# Allegro board HB1A-AAFM.brd (continued)
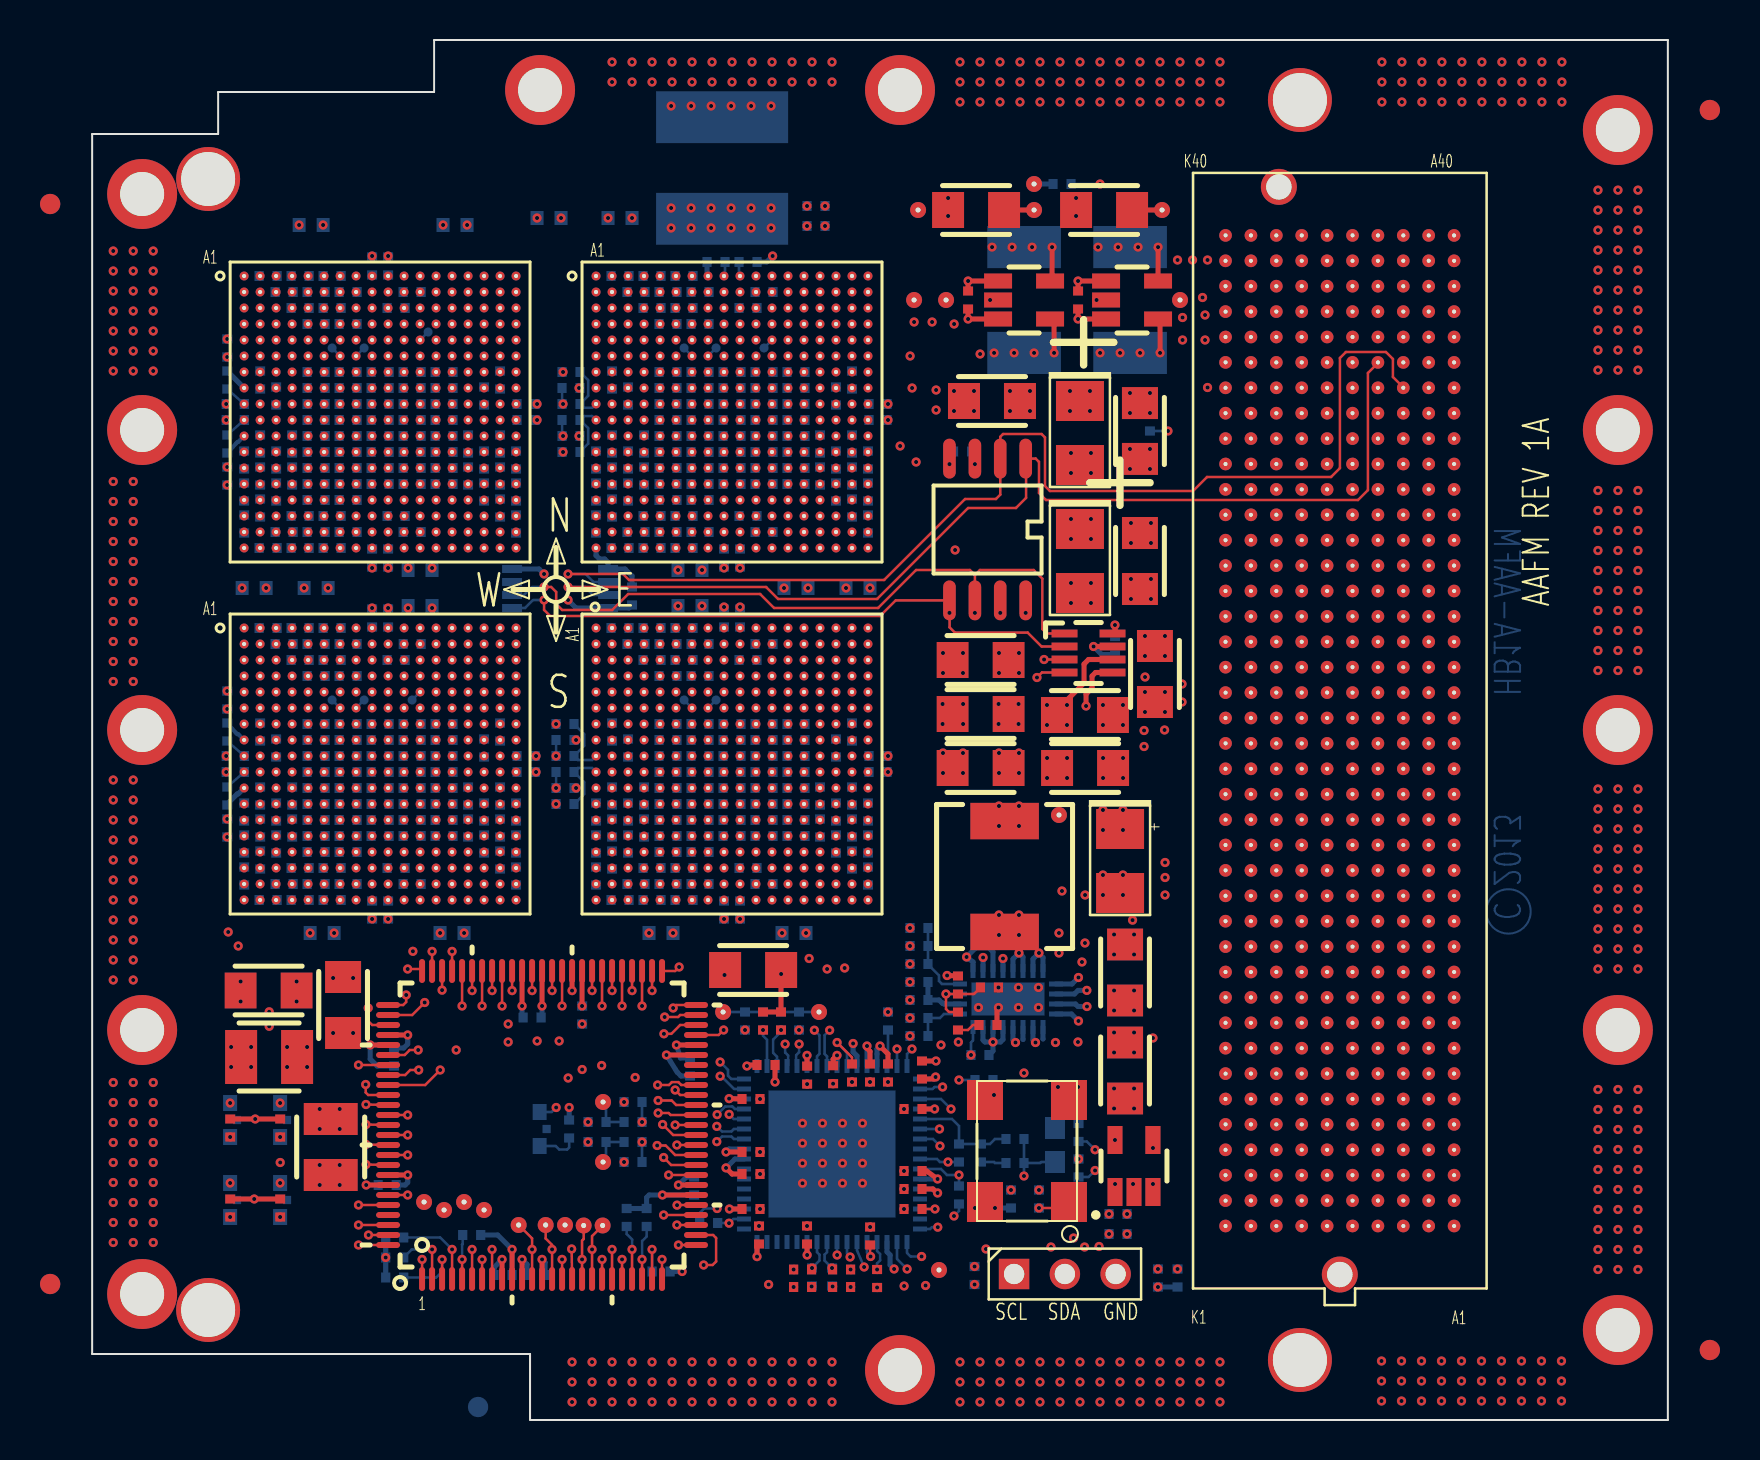
[diagram p0: board, top side]
## Routing (per net, layer and track width the routed paths; a pad name or vN(x,y) marks a point on that pad's centre or on a via; arc(x,y) is an arc through that point) (continued)
LL_UL_SN_DATA_N_4: length 55
  SIGNAL_L4-Y w0.114: U3.A4 10.3,57.5 10.3,57.75 10.5,57.95 10.75,57.95 10.84,58.04 10.84,58.21 10.69,58.37 10.69,58.54 10.86,58.71 11.03,58.71 11.18,58.55 11.35,58.55 11.6,58.8 16.95,58.8 17.35,58.4 17.57,58.4 17.69,58.52 17.69,58.68 17.81,58.8 18.05,58.8 18.17,58.68 18.17,58.52 18.29,58.4 18.53,58.4 18.65,58.52 18.65,58.68 18.77,58.8 19.01,58.8 19.13,58.68 19.13,58.52 19.25,58.4 19.49,58.4 19.61,58.52 19.61,58.68 19.73,58.8 19.97,58.8 20.09,58.68 20.09,58.52 20.21,58.4 20.43,58.4 20.55,58.52 20.55,58.68 20.67,58.8 20.91,58.8 21.03,58.68 21.03,58.38 21.19,58.22 21.36,58.22 21.56,58.42 21.73,58.42 21.9,58.25 21.9,58.08 21.7,57.88 21.7,57.71 22.01,57.4 22.31,57.4 22.43,57.28 22.43,57.04 22.31,56.92 21.92,56.92 21.8,56.8 21.8,56.56 21.92,56.44 22.31,56.44 22.43,56.32 22.43,56.08 22.31,55.96 21.92,55.96 21.8,55.84 21.8,55.6 21.92,55.48 22.31,55.48 22.43,55.36 22.43,55.12 22.31,55 21.92,55 21.8,54.88 21.8,54.64 21.92,54.52 22.31,54.52 22.43,54.4 22.43,54.16 22.31,54.04 21.92,54.04 21.8,53.92 21.8,53.68 21.92,53.56 22.31,53.56 22.43,53.44 22.43,53.2 22.31,53.08 21.92,53.08 21.8,52.96 21.8,52.72 21.92,52.6 22.31,52.6 22.43,52.48 22.43,52.24 22.31,52.12 21.92,52.12 21.8,52 21.8,29.16 21.45,28.8 18.4,28.8 U7.R14
LL_UL_SN_DATA_N_5: length 55.4
  SIGNAL_L11-Y w0.089: U3.B5 10.4,56 9.04,56 8.8,56.24 8.8,57.6 9.79,58.59 12.15,58.59 12.27,58.47 12.27,58.32 12.39,58.2 12.63,58.2 12.75,58.32 12.75,58.47 12.87,58.59 20.46,58.59 21.6,57.45 21.6,43.3 21.4,43.1 21.4,42.52 21.6,42.32 21.6,42.1 21.4,41.9 21.4,41.62 21.6,41.42 21.6,40.75 20.8,39.95 20.8,31.4 20.59,31.18 19.4,31.18 19.2,30.98 19.2,30.6 19.4,30.4 20.65,30.4 20.8,30.25 20.8,29.8 20.6,29.6 19.4,29.6 19.2,29.4 19.2,29 19.4,28.8 20.6,28.8 20.8,28.6 20.8,28.2 20.6,28 19.2,28 U7.T15
LL_UL_SN_DATA_N_6: length 54.9
  SIGNAL_L7-Y w0.089: U3.C6 11.2,56 11.2,57.4 11.5,57.7 18.1,57.7 18.4,57.4 18.4,55.4 18.6,55.2 19.8,55.2 20,55.4 20,56.6 20.2,56.8 20.6,56.8 20.8,56.6 20.8,55.4 21,55.2 21.4,55.2 21.6,55 21.6,54.6 21.4,54.4 20.2,54.4 20,54.2 20,53.8 20.2,53.6 21.4,53.6 21.6,53.4 21.6,53 21.4,52.8 20.2,52.8 20,52.6 20,52.2 20.2,52 21.4,52 21.6,51.8 21.6,51.4 21.4,51.2 20.2,51.2 20,51 20,43.08 19.88,42.96 19.62,42.96 19.5,42.84 19.5,42.6 19.62,42.48 19.88,42.48 20,42.36 20,42.13 19.8,41.93 19.8,41.65 20,41.45 20,41.22 19.8,41.03 19.8,40.74 20,40.55 20,31.39 19.8,31.2 19.41,31.2 19.2,31 19.2,30.6 19.41,30.4 19.8,30.4 20,30.2 20,27.2 U7.U16
LL_UL_SN_DATA_N_7: length 55
  SIGNAL_L4-Y w0.114: U3.D7 12.8,55.2 13.4,55.2 13.6,55 13.6,53.8 13.8,53.6 15,53.6 15.2,53.4 15.2,53 15,52.8 13.8,52.8 13.6,52.6 13.6,52.2 13.8,52 15,52 15.2,51.8 15.2,44.2 15,44 13.8,44 13.6,43.8 13.6,43.4 13.3,43.1 9.6,43.1 9.3,42.8 9.3,41.55 8.9,41.15 8.9,40.89 9.3,40.49 9.3,40.2 9.15,40.05 9,40.05 8.8,39.85 8.8,25.8 9.4,25.2 12.4,25.2 12.8,25.6 12.8,27 13,27.2 19.8,27.2 20,27 20,26.4 U7.V17
LL_UL_SN_DATA_P_0: length 55
  SIGNAL_L4-Y w0.114: U7.R11 16,28.8 16,30.2 16.2,30.4 20.6,30.4 20.8,30.6 20.8,41.6 20.6,41.8 20.6,42.09 20.8,42.28 20.8,42.56 20.6,42.77 20.6,43.05 20.8,43.24 20.8,57.6 20.5,57.9 17.6,57.9 17.28,57.59 12.18,57.59 12,57.4 12,55.4 11.8,55.2 7.4,55.2 7.2,55.4 7.2,57.5 7.7,58 8.4,58 U3.A3
LL_UL_SN_DATA_P_1: length 55.2
  SIGNAL_L11-Y w0.089: U3.B4 10.38,56.78 10.38,57.4 10.57,57.59 19.81,57.59 20,57.4 20,45.8 19.8,45.6 17.8,45.6 17.6,45.4 17.6,45 17.8,44.8 19.8,44.8 20,44.6 20,43.14 19.8,42.94 19.8,42.66 20,42.46 20,40.75 19.2,39.95 19.2,37.8 19,37.6 17.8,37.6 17.6,37.8 17.6,39.05 17.45,39.2 16.95,39.2 16.8,39.05 16.8,37 17,36.8 19,36.8 19.2,36.6 19.2,36.2 19,36 17,36 16.8,35.8 16.8,28 U7.T12
LL_UL_SN_DATA_P_2: length 55
  SIGNAL_L14-Y w0.114: U3.C5 10.4,55.2 10.4,52.2 10.6,52 11,52 11.2,51.8 11.2,51.4 11,51.2 10.6,51.2 10.4,51 10.4,50.6 10.6,50.4 11,50.4 11.2,50.2 11.2,49.8 11,49.6 10.6,49.6 10.4,49.4 10.4,49 10.6,48.8 11,48.8 11.2,48.6 11.2,48.2 11,48 10.6,48 10.4,47.8 10.4,47.4 10.6,47.2 11,47.2 11.2,47 11.2,46.6 11,46.4 8.2,46.4 8,46.2 8,45.8 8.2,45.6 11,45.6 11.2,45.4 11.2,45 11,44.8 8.2,44.8 8,44.6 8,44.2 8.2,44 11,44 11.2,43.8 11.2,43.4 11,43.2 8.95,43.2 8.8,43.05 8.8,42.55 8.95,42.4 9.8,42.4 10.2,42 10.2,41.45 10.4,41.25 10.4,28.2 10.6,28 11.9,28 12,27.9 12,27.4 12.2,27.2 12.6,27.2 12.8,27 12.8,26.6 13,26.4 16.8,26.4 U7.U13
LL_UL_SN_DATA_P_3: length 54.9
  SIGNAL_L4-Y w0.114: U3.D6 12,54.4 12,49 12.2,48.8 13.4,48.8 13.6,48.6 13.6,48.2 13.4,48 12.2,48 12,47.8 12,47.4 12.2,47.2 13.4,47.2 13.6,47 13.6,46.6 13.4,46.4 12.2,46.4 12,46.2 12,44.97 11.83,44.8 6.41,44.8 6.13,44.52 6.13,43.15 6.25,43.03 6.66,43.03 6.78,42.91 6.78,42.67 6.66,42.55 6.25,42.55 6.13,42.43 6.13,41.4 5.55,40.83 5.55,26.98 8.57,23.96 14.36,23.96 15.9,25.5 17.5,25.5 U7.V14
LL_UL_SN_DATA_P_4: length 55
  SIGNAL_L4-Y w0.114: U3.A5 10.4,56.8 9.8,56.8 9.6,57 9.6,58.15 9.75,58.3 10.1,58.3 10.25,58.45 10.25,58.75 10.44,58.94 10.74,58.94 10.9,59.1 21.6,59.1 22.65,58.05 22.65,49.7 22.02,49.08 22.02,34.08 22.6,33.5 22.6,32.15 22.02,31.57 22.02,28.62 21.6,28.2 21.6,26.6 21.4,26.4 21,26.4 20.8,26.6 20.8,27.8 20.6,28 17.6,28 U7.R13
LL_UL_SN_DATA_P_5: length 55.3
  SIGNAL_L14-Y w0.114: U3.B6 11.2,56 7.3,56 6.2,54.9 6.2,43.07 6.32,42.95 6.48,42.95 6.6,42.83 6.6,42.59 6.48,42.47 6.32,42.47 6.2,42.35 6.2,40.55 7.2,39.55 7.2,37 7.4,36.8 7.8,36.8 8,37 8,40.49 8.16,40.65 8.6,40.65 8.8,40.45 8.8,39.4 9,39.2 9.41,39.2 9.6,39.01 9.6,27.4 9.8,27.2 11.8,27.2 12,27 12,25.8 12.2,25.6 17.38,25.6 17.6,25.82 17.6,27 17.8,27.2 U7.T14
LL_UL_SN_DATA_P_6: length 55
  SIGNAL_L11-Y w0.089: U7.U15 19.2,27.2 21.4,27.2 21.6,27.4 21.6,40.2 21.82,40.42 21.82,57.6 20.61,58.81 9.26,58.81 8,57.55 8,55.4 8.2,55.2 12,55.2 U3.C7
LL_UL_SN_DATA_P_7: length 55.1
  SIGNAL_L4-Y w0.114: U3.D8 12.8,54.4 12.8,51.4 13,51.2 14.2,51.2 14.4,51 14.4,45 14.2,44.8 13.8,44.8 13.6,44.6 13.6,44.2 13.4,44 9,44 8.8,43.8 8.8,43.17 8.28,42.65 7.38,42.65 6.48,41.75 6.48,41.08 5.93,40.52 5.93,40.07 6.05,39.95 6.46,39.95 6.58,39.83 6.58,39.59 6.46,39.47 6.05,39.47 5.93,39.35 5.93,39.11 6.05,38.99 6.46,38.99 6.58,38.87 6.58,38.63 6.46,38.51 6.05,38.51 5.93,38.39 5.93,27.8 7.34,26.39 7.8,26.39 8,26.18 8,25.7 8.8,24.9 12.85,24.9 13,24.75 13,24.45 13.2,24.25 13.4,24.25 13.6,24.45 13.6,26.2 13.8,26.4 19.2,26.4 U7.V16
LL_UL_SN_FRAME_N: length 54.9
  SIGNAL_L11-Y w0.089: U3.B7 12.8,56 12.8,54.6 12.6,54.4 7.43,54.4 7.33,54.5 6.05,54.5 5.41,53.85 5.41,26.79 7.6,24.6 8.24,24.6 8.36,24.48 8.36,24.39 8.48,24.27 8.72,24.27 8.84,24.39 8.84,24.48 8.96,24.6 9.86,24.6 10.5,23.96 15.34,23.96 16.8,25.41 16.8,27.1 16.7,27.2 15.4,27.2 15.2,27.4 15.2,28 U7.R10
LL_UL_SN_FRAME_P: length 55.1
  SIGNAL_L14-Y w0.114: U3.B8 12.8,56 12.8,54.6 13,54.4 13.4,54.4 13.6,54.2 13.6,53.8 13.4,53.6 13,53.6 12.8,53.4 12.8,53 13,52.8 13.4,52.8 13.6,52.6 13.6,52.2 13.4,52 13,52 12.8,51.8 12.8,51.4 13,51.2 13.4,51.2 13.6,51 13.6,50.6 13.4,50.4 13,50.4 12.8,50.2 12.8,49.8 13,49.6 13.4,49.6 13.6,49.4 13.6,49 13.41,48.81 13.02,48.81 12.8,48.6 12.8,48.2 13,48 13.4,48 13.6,47.8 13.6,47.4 13.4,47.2 13,47.2 12.8,47 12.8,46.6 13,46.4 13.4,46.4 13.6,46.2 13.6,45.8 13.4,45.6 13,45.6 12.8,45.4 12.8,45 13,44.8 13.4,44.8 13.6,44.6 13.6,44.2 13.4,44 13,44 12.8,43.8 12.8,43.1 12.9,43 13.35,43 13.5,42.85 13.5,42.65 13.35,42.5 11.7,42.5 11.55,42.35 11.55,42.15 11.7,42 12.15,42 12.45,41.7 14.95,41.7 15.1,41.55 15.1,41.35 14.95,41.2 11.7,41.2 11.56,41.06 11.56,40.89 11.7,40.75 13.45,40.75 13.59,40.61 13.59,40.44 13.45,40.3 12.3,40.3 12,40 12,39.4 12.2,39.2 12.6,39.2 12.8,39 12.8,38.6 12.6,38.4 12.2,38.4 12,38.2 12,37.8 12.2,37.6 12.6,37.6 12.8,37.4 12.8,37 12.6,36.8 12.2,36.8 12,36.6 12,36.2 12.2,36 12.6,36 12.8,35.8 12.8,35.4 12.6,35.2 12.2,35.2 12,35 12,34.6 12.2,34.4 12.6,34.4 12.8,34.2 12.8,33.8 12.6,33.6 12.2,33.6 12,33.4 12,33 12.2,32.8 12.6,32.8 12.8,32.6 12.8,32.2 12.6,32 12.2,32 12,31.8 12,31.4 12.2,31.2 12.6,31.2 12.8,31 12.8,30.6 13,30.4 13.4,30.4 13.6,30.2 13.6,28.8 U7.R9
LL_UL_SN_LCLK_N: length 55.2
  SIGNAL_L7-Y w0.089: U3.A6 12,56.8 12,56.2 12.2,56 15,56 15.2,55.8 15.2,49 15,48.8 14.6,48.8 14.4,48.6 14.4,48.2 14.6,48 15,48 15.2,47.8 15.2,41.9 14.95,41.65 12.95,41.65 12.8,41.5 12.8,38.6 13,38.4 15,38.4 15.2,38.2 15.2,37.8 15,37.6 13,37.6 12.8,37.4 12.8,37 13,36.8 15,36.8 15.2,36.6 15.2,36.2 15,36 13,36 12.8,35.8 12.8,35.4 13,35.2 15,35.2 15.2,35 15.2,34.6 15,34.4 13,34.4 12.8,34.2 12.8,33.8 13,33.6 15,33.6 15.2,33.4 15.2,25.8 15.4,25.6 16.8,25.6 U7.V13
LL_UL_SN_LCLK_P: length 55.3
  SIGNAL_L7-Y w0.089: U7.V12 16.02,26.39 16.02,28.61 16.2,28.8 17.41,28.8 17.6,29 17.6,29.4 17.41,29.6 16.21,29.6 16.02,29.8 16.02,30.21 16.2,30.4 16.6,30.4 16.8,30.6 16.8,31 16.6,31.2 16.21,31.2 16.02,31.4 16.02,31.82 16.2,32 17.4,32 17.6,32.2 17.6,32.6 17.4,32.8 16.21,32.8 16.02,33 16.02,33.41 16.2,33.6 17.4,33.6 17.6,33.8 17.6,34.2 17.4,34.4 16.21,34.4 16.02,34.6 16.02,35.02 16.2,35.2 17.4,35.2 17.6,35.4 17.6,35.8 17.4,36 16.21,36 16.02,36.2 16.02,36.62 16.2,36.8 17.4,36.8 17.6,37 17.6,37.4 17.4,37.6 16.21,37.6 16.02,37.8 16.02,38.22 16.2,38.4 17.4,38.4 17.6,38.6 17.6,39 17.4,39.2 17,39.2 16.8,39.4 16.8,39.8 16.6,40 16.2,40 16,39.8 16,39.4 15.8,39.2 15.4,39.2 15.2,39.4 15.2,40.8 15.4,41 16,41 16.25,41.24 16.25,41.34 16.37,41.47 16.48,41.47 16.6,41.59 16.6,41.83 16.48,41.95 16.37,41.95 16.25,42.06 16.25,42.87 16.02,43.1 16.02,56.58 15.8,56.8 12.8,56.8 U3.A7
LL_UL_SN_RD_WAIT_N: length 52.8
  SIGNAL_L11-Y w0.089: U3.B9 13.6,56 13.6,53.8 13.4,53.6 5.98,53.6 5.68,53.3 5.68,31.3 5.8,31.18 6.61,31.18 6.73,31.06 6.73,30.82 6.61,30.7 5.8,30.7 5.68,30.58 5.68,26.92 7.7,24.9 12.7,24.9 13.4,24.2 15.2,24.2 16,25 16,26.4 U7.U12
LL_UL_SN_RD_WAIT_P: length 52.7
  SIGNAL_L11-Y w0.089: U7.U11 15.2,26.4 15.2,24.8 15,24.6 13.5,24.6 12.9,25.2 7.8,25.2 7.2,25.8 7.2,37.21 7.08,37.33 6.77,37.33 6.65,37.45 6.65,37.69 6.77,37.81 7.08,37.81 7.2,37.93 7.2,38.17 7.08,38.29 6.77,38.29 6.65,38.41 6.65,38.65 6.77,38.77 7.08,38.77 7.2,38.89 7.2,39.13 7.08,39.25 6.77,39.25 6.65,39.37 6.65,39.61 6.77,39.73 7.08,39.73 7.2,39.85 7.2,40.15 7.05,40.3 6.85,40.3 5.98,41.17 5.98,41.88 7.2,43.09 7.2,48.62 7.08,48.74 6.85,48.74 6.73,48.86 6.73,49.1 6.85,49.22 7.08,49.22 7.2,49.34 7.2,52.6 7.4,52.8 14.2,52.8 14.4,53 14.4,56 U3.B10
LL_UL_SN_WR_WAIT_N: length 55
  SIGNAL_L14-Y w0.114: U7.T11 15.2,28 15.2,30.2 15.4,30.4 15.8,30.4 16,30.6 16,31 15.8,31.2 14.6,31.2 14.4,31.4 14.4,31.8 14.6,32 15.8,32 16,32.2 16,32.6 15.8,32.8 14.6,32.8 14.4,33 14.4,33.4 14.6,33.6 16.6,33.6 16.8,33.8 16.8,34.2 16.6,34.4 14.6,34.4 14.4,34.6 14.4,35 14.6,35.2 16.6,35.2 16.8,35.4 16.8,35.8 16.6,36 14.6,36 14.4,36.2 14.4,36.6 14.6,36.8 16.6,36.8 16.8,37 16.8,37.4 16.6,37.6 14.6,37.6 14.4,37.8 14.4,38.2 14.6,38.4 16.6,38.4 16.8,38.6 16.8,39 16.6,39.2 15.4,39.2 15.2,39.4 15.2,39.8 15.4,40 16.35,40 16.55,40.2 16.55,40.99 16.67,41.11 17.31,41.11 17.45,41.25 17.45,41.45 17.3,41.6 16.66,41.6 16.55,41.71 16.55,42.5 16,43.05 15.5,43.05 15.2,43.35 15.2,54.2 15,54.4 14.6,54.4 14.4,54.6 14.4,55.8 14.2,56 13.6,56 U3.C8
LL_UL_SN_WR_WAIT_P: length 55
  SIGNAL_L14-Y w0.114: U7.T10 14.4,28 14.4,31 14.2,31.2 13,31.2 12.8,31.4 12.8,31.8 13,32 14.2,32 14.4,32.2 14.4,32.6 14.2,32.8 13,32.8 12.8,33 12.8,33.4 13,33.6 14.2,33.6 14.4,33.8 14.4,34.2 14.2,34.4 13,34.4 12.8,34.6 12.8,35 13,35.2 14.2,35.2 14.4,35.4 14.4,35.8 14.2,36 13,36 12.8,36.2 12.8,36.6 13,36.8 14.2,36.8 14.4,37 14.4,37.4 14.2,37.6 13,37.6 12.8,37.8 12.8,38.2 13,38.4 14.2,38.4 14.4,38.6 14.4,39 14.2,39.2 13,39.2 12.8,39.4 12.8,39.8 13,40 15,40 15.4,40.4 15.4,42.8 15,43.2 13.8,43.2 13.6,43.4 13.6,43.8 13.8,44 14.2,44 14.38,44.19 14.38,44.65 14.23,44.8 13.8,44.8 13.6,45 13.6,45.4 13.8,45.6 14.2,45.6 14.4,45.8 14.4,46.2 14.2,46.4 13.8,46.4 13.6,46.6 13.6,47 13.8,47.2 14.2,47.2 14.4,47.4 14.4,47.8 14.2,48 13.8,48 13.6,48.2 13.6,48.6 13.8,48.8 14.2,48.8 14.4,49 14.4,49.4 14.2,49.6 13.8,49.6 13.6,49.8 13.6,50.2 13.8,50.4 14.2,50.4 14.4,50.6 14.4,51 14.2,51.2 13.8,51.2 13.6,51.4 13.6,51.8 13.8,52 14.2,52 14.4,52.2 14.4,52.6 14.2,52.8 13.8,52.8 13.6,53 13.6,53.4 13.8,53.6 14.2,53.6 14.4,53.8 14.4,54.2 14.2,54.4 13.8,54.4 13.6,54.6 13.6,55.2 U3.C9
LL_XID3: length 20.8
  TOP w0.127: U9.82 v1(13.32,17.75)
  SIGNAL_L12-X w0.089: v1(13.32,17.75) 12.5,18.56 12.5,24.8 12,25.3 12,36 12.4,36.4 U7.E7
LL_YID3: length 21.6
  TOP w0.127: U9.86 v1(13.7,15.78)
  SIGNAL_L12-X w0.089: U7.F9 14.2,35.2 14.41,35 14.41,23.4 14.8,23 14.8,17.23 v1(13.7,15.78)
LR_CCLK_N: length 3.3
  BOTTOM w0.127: R170.1 24.11,30.8 24.6,31.3 24.6,31.89 R168.2 24.3,32.6 25,32.6 U8.K1
LR_CCLK_P: length 3.3
  BOTTOM w0.127: U8.J1 25,33 24.3,33 R167.2 24.6,33.7 24.6,34.3 R165.1
LR_CSBI_XID0: length 38.4
  TOP w0.127: U9.87 v1(15.78,15.25)
  SIGNAL_L5-X w0.114: v1(15.78,15.25) 15.3,15.72 15.3,19.52 15.58,19.8 19.7,19.8 20.16,20.25 27.93,20.25 28.65,20.98 28.65,22.65 29.2,23.2 32.8,23.2 33.6,24 33.6,35.2 34,35.59 U8.F12
LR_CSBO_YID0: length 37.4
  TOP w0.127: U9.91 v1(15.78,13.25)
  SIGNAL_L5-X w0.114: v1(15.78,13.25) 17.05,13.25 22.25,18.45 v1(22.25,18.95)
  SIGNAL_L8-X w0.089: U8.E10 32.41,36.4 32.8,36 32.8,24.4 31.58,23.18 22.93,23.18 22.5,22.75 22.5,21.4 22,20.9 22,19.73 22.25,19.48 v1(22.25,18.95)
LR_FLAG_DSP: length 43
  TOP w0.127: U9.15 v1(23.5,8.03)
  SIGNAL_L4-Y w0.114: v1(23.5,8.03) 23.5,8.97 23.65,9.12 TP21.1
  SIGNAL_L8-X w0.089: U8.E12 34,36.4 34.41,36 34.41,25.5 35.2,24.7 35.2,23.1 37.66,20.65 37.66,17.55 37.5,17.4 37.5,16.1 37,15.6 37,12.6 36.7,12.3 34.2,12.3 33.7,11.8 30.9,11.8 30.33,11.22 29.13,11.22 28.65,10.75 27.55,10.75 27.41,10.9 24.8,10.9 TP21.1
LR_LL_WE_DATA_N_0: length 29.1
  SIGNAL_L15-X w0.114: U7.T18 21.6,27.2 21.6,25.75 21.45,25.6 21.2,25.6 21.05,25.45 21.05,25.25 21.5,24.8 21.5,24.5 21.8,24.2 26.05,24.2 26.19,24.34 26.19,24.51 26.05,24.65 24.25,24.65 24.15,24.75 24.15,24.95 24.25,25.05 26.05,25.05 26.2,25.2 26.2,25.45 26.03,25.61 25,25.61 24.81,25.8 24.81,26.2 25.02,26.4 25.4,26.4 25.6,26.6 25.6,27 25.4,27.2 25,27.2 24.81,27.39 24.81,27.8 25.02,28 25.4,28 25.6,28.2 25.6,28.6 25.4,28.8 25,28.8 24.81,28.98 24.81,29.4 25.02,29.6 25.4,29.6 25.6,29.8 25.6,30.19 25.39,30.4 25,30.4 24.81,30.59 24.81,33.41 25,33.6 27.2,33.6 U8.H4
LR_LL_WE_DATA_N_1: length 29.1
  SIGNAL_L15-X w0.114: U8.G3 27.2,35.2 28.6,35.2 28.8,35 28.8,32.2 28.6,32 26.6,32 26.4,31.8 26.4,31.4 26.6,31.2 27,31.2 27.2,31 27.2,30.6 27.4,30.4 27.8,30.4 28,30.2 28,25.6 26.87,24.47 26.87,24.18 26.45,23.76 21.44,23.76 21.19,24.01 20.39,24.01 20,24.4 20,25 19.9,25.1 19.55,25.1 19.45,25.2 19.45,25.45 19.55,25.55 19.85,25.55 20,25.7 20,28 U7.R17
LR_LL_WE_DATA_N_2: length 29.1
  SIGNAL_L12-X w0.089: U8.F2 25.6,35.4 25.4,35.2 24.7,35.2 24.41,35.5 24.41,35.8 23.66,36.54 23.66,38.66 23.4,38.92 23.18,38.92 22.7,38.44 22.7,36.2 22.7,36.2 22.7,34.4 23.59,33.52 23.59,31.33 24.36,30.56 24.36,25.6 24.05,25.29 21.98,25.29 21.59,25.68 21.59,29.41 21.4,29.6 20.2,29.6 20,29.4 U7.P16
LR_LL_WE_DATA_N_3: length 29.2
  SIGNAL_L12-X w0.089: U7.N15 19.2,30.4 20.6,30.4 20.8,30.6 20.8,31 21,31.2 21.45,31.2 22.81,29.84 22.81,26.79 23,26.6 23.5,26.6 23.7,26.8 23.7,27.59 23.58,27.71 23.32,27.71 23.2,27.83 23.2,28.07 23.32,28.19 23.58,28.19 23.7,28.31 23.7,29.7 23.21,30.19 22.95,30.19 22.59,30.55 22.59,30.81 21.81,31.59 21.81,33.7 22.04,33.94 22.04,38.74 23.03,39.73 23.53,39.73 24.32,38.94 24.32,36.97 24.89,36.4 U8.E1
LR_LL_WE_DATA_N_4: length 29
  SIGNAL_L12-X w0.089: U7.P18 20.8,28.8 20.8,25.73 20.98,25.55 21.41,25.55 21.89,25.07 24.14,25.07 24.58,25.51 24.58,30.65 23.81,31.42 23.81,34.14 23.59,34.36 23.59,35.41 22.92,36.08 22.92,36.29 22.92,36.29 22.92,37.77 23.05,37.9 23.3,37.9 23.44,37.76 23.44,36.4 24,35.84 24,35.05 24.3,34.75 24.6,34.75 24.95,34.4 25.4,34.4 25.6,34.6 25.6,35 25.8,35.2 27.2,35.2 U8.F4
LR_LL_WE_DATA_N_5: length 29.2
  SIGNAL_L12-X w0.089: U8.E3 26.4,36 24.9,36 24.1,36.8 24.1,38.85 23.73,39.22 23.73,39.22 23.5,39.45 23.09,39.45 22.26,38.62 22.26,34.05 22.59,33.72 22.59,31.22 22.81,31 22.81,30.64 23.04,30.41 23.36,30.41 23.92,29.85 23.92,26.45 23.77,26.3 22.75,26.3 22.59,26.46 22.59,27.26 22.47,27.38 22.17,27.38 22.05,27.5 22.05,27.74 22.17,27.86 22.47,27.86 22.59,27.98 22.59,28.22 22.47,28.34 22.37,28.34 22.2,28.5 22.2,28.62 22.41,28.82 22.47,28.82 22.59,28.94 22.59,29.66 21.85,30.4 21,30.4 20.8,30.2 U7.N17
LR_LL_WE_DATA_N_6: length 29.1
  SIGNAL_L7-Y w0.089: U7.M16 20,31 20.2,31.2 22.6,31.2 22.8,31.4 22.8,34.02 22.5,34.33 22.5,37.55 22.8,37.85 22.8,39.14 22.7,39.24 22.66,39.24 22.55,39.35 22.55,39.5 22.66,39.6 22.7,39.6 22.8,39.71 22.8,40.15 22.95,40.3 23.25,40.3 23.41,40.15 23.41,35.4 23.6,35.2 23.8,35.2 24,35.4 24,40.1 24.2,40.3 24.41,40.3 24.6,40.1 24.6,37 24.8,36.8 25.6,36.8 U8.D2
LR_LL_WE_DATA_N_7: length 29.1
  SIGNAL_L15-X w0.114: U8.C1 24.68,38.52 24.68,39.21 23.77,40.12 22.64,40.12 21.78,39.26 21.78,38.68 21.5,38.4 21,38.4 20.8,38.2 20.8,37.8 20.6,37.6 20.2,37.6 20,37.4 20,37 19.8,36.8 19.4,36.8 19.2,36.6 19.2,36.2 19,36 18.6,36 18.4,35.8 18.4,35.4 18.2,35.2 17.8,35.2 17.6,35 17.6,34.6 17.4,34.4 17,34.4 16.8,34.2 16.8,33.8 16.6,33.6 16.2,33.6 16,33.4 16,33 15.8,32.8 15.4,32.8 15.2,32.6 15.2,32.2 15,32 14.6,32 14.4,31.8 14.4,29.8 14.6,29.6 15,29.6 15.2,29.8 15.2,31.8 15.4,32 15.8,32 16,31.8 16,30.6 16.2,30.4 16.6,30.4 16.8,30.6 16.8,31.1 16.9,31.2 17.4,31.2 17.6,31.4 17.6,31.8 17.8,32 18.4,32 U7.L15
LR_LL_WE_DATA_P_0: length 29.2
  SIGNAL_L15-X w0.114: U8.G4 28,34.4 28,33 27.8,32.8 25.8,32.8 25.6,32.6 25.6,30.6 25.8,30.4 26.98,30.4 27.2,30.18 27.2,29.8 27,29.6 25.8,29.6 25.6,29.4 25.6,29 25.8,28.8 27,28.8 27.2,28.6 27.2,28.2 27,28 25.8,28 25.6,27.8 25.6,27.4 25.8,27.2 27,27.2 27.2,27 27.2,25.8 26.55,25.15 26.55,24.2 26.33,23.98 21.62,23.98 21.37,24.23 20.62,24.23 20.3,24.55 20.3,24.85 20.8,25.35 20.8,26.4 U7.U18
LR_LL_WE_DATA_P_1: length 29.3
  SIGNAL_L15-X w0.114: U7.T17 20.8,28 21.5,28 21.82,27.68 21.82,24.58 21.91,24.5 22.09,24.5 22.2,24.6 22.2,25.18 22.3,25.28 22.52,25.28 22.6,25.2 22.6,24.6 22.7,24.5 22.9,24.5 23,24.6 23,25.18 23.1,25.28 23.32,25.28 23.4,25.2 23.4,24.6 23.5,24.5 23.67,24.5 23.78,24.61 23.78,25.18 24,25.4 24.45,25.4 24.59,25.55 24.59,25.7 24.35,25.95 24.35,26.15 24.59,26.39 24.59,26.54 24.35,26.79 24.35,27.02 24.59,27.27 24.59,27.48 24.35,27.73 24.35,27.96 24.59,28.21 24.59,28.44 24.35,28.68 24.35,28.93 24.59,29.17 24.59,29.4 24.35,29.64 24.35,29.89 24.59,30.13 24.59,30.35 24.48,30.47 24.47,30.47 24.35,30.59 24.35,30.83 24.47,30.95 24.48,30.95 24.59,31.07 24.59,31.91 24.41,32.1 24.01,32.1 23.81,32.3 23.81,32.5 24.01,32.7 24.41,32.7 24.59,32.89 24.59,33.36 24.36,33.59 24.06,33.59 23.81,33.84 23.81,34.16 24.1,34.46 24.1,35.6 24,35.7 24,35.9 24.11,36 24.27,36 24.59,35.68 24.59,34.65 24.84,34.4 26.2,34.4 26.4,34.6 26.4,35 26.6,35.2 U8.F3
LR_LL_WE_DATA_P_2: length 29.1
  SIGNAL_L15-X w0.114: U8.E2 25.6,36 24.9,36 23.79,37.11 23.79,38.85 23.4,39.24 23.04,39.24 22.69,38.89 22.69,36.3 23.6,35.38 23.6,34.6 23.31,34.31 23.31,33.71 23.65,33.38 23.65,32.96 23.3,32.61 23.3,32.09 23.59,31.8 23.59,31.02 23.81,30.8 23.81,26.52 23.61,26.32 22.44,26.32 22.26,26.5 22.26,30.3 22.16,30.4 21.91,30.4 21.82,30.32 21.82,29.12 21.5,28.8 20,28.8 U7.R16
LR_LL_WE_DATA_P_3: length 29.2
  SIGNAL_L15-X w0.114: U8.D1 24.6,37.2 24.23,37.57 24.23,39.03 23.59,39.68 22.82,39.68 22.25,39.1 22.25,35.98 22.59,35.63 22.59,31.34 22.45,31.2 22,31.2 21.75,31.45 21.75,34.05 21.6,34.2 21.6,36.6 21.4,36.8 21,36.8 20.8,36.6 20.8,29.8 20.6,29.6 19.2,29.6 U7.P15
LR_LL_WE_DATA_P_4: length 29
  SIGNAL_L15-X w0.114: U8.E4 27.2,36.8 26.6,36.8 26.4,36.6 26.4,35.44 26.39,35.4 26.2,35.2 25,35.2 24.81,35.38 24.81,35.77 23.57,37.02 23.57,38.53 23.41,38.7 23.11,38.7 22.91,38.5 22.91,37.83 23.15,37.59 23.15,37.35 22.91,37.11 22.91,36.43 23.88,35.45 23.88,34.55 23.59,34.25 23.59,33.75 23.9,33.43 23.9,32.9 23.59,32.59 23.59,32.12 23.81,31.9 23.81,31.22 24.03,31 24.03,26.03 23.5,25.5 22.95,25.5 22.8,25.65 22.8,25.9 22.71,25.99 22.54,25.99 22.45,25.9 22.45,25.6 22.35,25.5 22.15,25.5 22.04,25.61 22.04,28.25 21.89,28.4 U7.R18
LR_LL_WE_DATA_P_5: length 29.3
  SIGNAL_L15-X w0.114: U7.P17 20.8,29.4 21,29.6 21.44,29.6 21.6,29.76 21.6,30.75 21.75,30.9 22.25,30.9 22.48,30.67 22.48,30.3 23,29.78 23,29.65 22.59,29.24 22.59,29.04 22.88,28.75 22.88,28.6 22.48,28.2 22.48,28.04 22.6,27.92 22.83,27.92 22.95,27.8 22.95,27.56 22.83,27.44 22.6,27.44 22.48,27.32 22.48,26.8 22.68,26.6 23.45,26.6 23.59,26.74 23.59,29.82 22.81,30.59 22.81,35.8 22.47,36.14 22.47,39.01 22.91,39.46 23.49,39.46 24.01,38.94 24.01,37.29 24.5,36.8 26.2,36.8 26.4,37 U8.D3
LR_LL_WE_DATA_P_6: length 29.1
  SIGNAL_L15-X w0.114: U8.C2 25.6,37.6 25,37.6 24.46,38.14 24.46,39.12 23.68,39.9 22.73,39.9 22,39.17 22,37.8 21.8,37.6 21,37.6 20.8,37.4 20.8,37 20.6,36.8 20.2,36.8 20,36.6 20,36.2 19.8,36 19.4,36 19.2,35.8 19.2,35.4 19,35.2 18.6,35.2 18.38,34.98 18.38,34.59 18.2,34.4 17.8,34.4 17.6,34.2 17.6,33.8 17.4,33.6 17,33.6 16.8,33.4 16.8,33 16.6,32.8 16.2,32.8 16,32.6 16,32.2 16.2,32 17.4,32 17.6,32.2 17.6,33.4 17.8,33.6 18.2,33.6 18.4,33.8 18.4,34.2 18.6,34.4 19,34.4 19.2,34.6 19.2,35 19.4,35.2 19.8,35.2 20,35 20,30.4 U7.N16
LR_LL_WE_DATA_P_7: length 29.2
  SIGNAL_L15-X w0.114: U8.B1 24.9,39.1 24.9,39.3 24.7,39.5 24.7,39.8 24,40.5 22.4,40.5 21.9,40 21.9,39.7 21.4,39.2 21,39.2 20.8,39 20.8,38.6 20.6,38.4 20.2,38.4 20,38.2 20,37.8 19.8,37.6 19.4,37.6 19.2,37.4 19.2,37 19,36.8 18.6,36.8 18.4,36.6 18.4,36.2 18.2,36 17.8,36 17.6,35.8 17.6,35.4 17.4,35.2 17,35.2 16.8,35 16.8,34.6 16.6,34.4 16.2,34.4 16,34.2 16,33.8 15.8,33.6 15.4,33.6 15.2,33.4 15.2,33 15,32.8 14.6,32.8 14.4,32.6 14.4,32.2 14.2,32 13.8,32 13.6,31.8 13.6,29.8 13.8,29.6 14.2,29.6 14.4,29.4 14.4,28.2 14.6,28 15,28 15.2,28.2 15.2,29.4 15.4,29.6 17.4,29.6 17.6,29.8 17.6,30.2 17.8,30.4 18.2,30.4 18.4,30.6 U7.M15
LR_LL_WE_FRAME_N: length 29
  SIGNAL_L8-X w0.089: U7.L17 20,32 18.6,32 18.41,31.82 18.41,25.79 19.09,25.11 20.5,25.11 21.41,24.19 26.8,24.19 27.62,25 28.9,25 29.6,25.7 29.6,31.8 29.4,32 28.2,32 28,32.2 U8.K4
LR_LL_WE_FRAME_P: length 28.9
  SIGNAL_L8-X w0.089: U8.J4 27.2,33 27,32.8 26.6,32.8 26.4,32.6 26.4,32.2 26.6,32 27,32 27.2,31.8 27.2,31.4 27.4,31.2 27.8,31.2 28,31 28,30.61 27.9,30.5 27.9,30.3 28,30.2 28,29.8 27.9,29.7 27.9,29.5 28,29.41 28,29 27.8,28.8 27.4,28.8 27.2,28.6 27.2,28.2 27.4,28 27.8,28 28,27.8 28,27.4 27.8,27.2 27.4,27.2 27.2,27 27.2,26.6 27.4,26.4 27.8,26.4 28,26.2 28,25.75 27.75,25.5 27.41,25.5 26.54,24.63 25.38,24.63 25.1,24.9 24.98,24.9 24.7,24.63 22.01,24.63 21.31,25.33 20.96,25.33 20.74,25.55 20.25,25.55 20,25.8 20,26.2 20.2,26.4 20.6,26.4 20.8,26.6 20.8,27 20.6,27.2 20.2,27.2 20,27.4 20,27.75 20.25,28 20.6,28 20.8,28.2 20.8,28.6 20.6,28.8 20.2,28.8 20,29 20,29.4 20.2,29.6 20.6,29.6 20.8,29.8 20.8,30.2 20.6,30.4 U7.M17
LR_LL_WE_LCLK_N: length 29.4
  SIGNAL_L8-X w0.089: U8.G1 25.6,35 25.8,35.2 26.2,35.2 26.4,35 26.4,34.6 26.6,34.4 27,34.4 27.2,34.6 27.2,35 27.4,35.2 27.85,35.2 28,35.35 28,35.8 27.8,36 27.4,36 27.2,36.2 27.2,36.6 27,36.8 26.6,36.8 26.4,37 26.4,37.4 26.2,37.6 25.8,37.6 25.6,37.8 25.6,38.2 25.4,38.4 25,38.4 24.8,38.6 24.8,38.99 23.51,40.28 22.79,40.28 21.6,39.09 21.6,38.6 21.4,38.4 21,38.4 20.8,38.2 20.8,37.8 20.6,37.6 20.2,37.6 20,37.4 20,37 19.8,36.8 19.4,36.8 19.2,36.6 19.2,36.2 19,36 18.6,36 18.4,35.8 18.4,33.8 18.6,33.6 19,33.6 19.2,33.8 19.2,34.2 19.4,34.4 20.6,34.4 20.8,34.2 20.8,33.8 21,33.6 21.4,33.6 21.8,33.2 21.8,31.05 21.55,30.8 U7.M18
LR_LL_WE_LCLK_P: length 29.2
  SIGNAL_L12-X w0.089: U8.F1 24.8,35.75 23.88,36.67 23.88,38.76 23.64,39 23.64,39 23.49,39.14 23.09,39.14 22.48,38.53 22.48,34.23 22.81,33.89 22.81,31.44 23.04,31.21 23.39,31.21 24.14,30.46 24.14,25.69 23.96,25.51 22.97,25.51 22.81,25.67 22.81,25.97 22.73,26.05 22.45,26.05 22.35,25.95 22.35,25.61 22.25,25.51 22.07,25.51 21.8,25.77 21.8,26.38 21.92,26.5 22.25,26.5 22.37,26.62 22.37,26.86 22.25,26.98 21.92,26.98 21.8,27.1 21.8,28.84 22.01,29.04 22.28,29.04 22.37,29.13 22.37,29.57 21.83,30.11 21.66,30.11 21.55,30 21.2,30 U7.N18
LR_LL_WE_RD_WAIT_N: length 30
  SIGNAL_L12-X w0.089: U8.H2 25.6,33.8 25.41,33.6 24.6,33.6 24.39,33.39 24.39,31.98 24.59,31.79 24.59,31.02 24.6,31 24.8,30.8 24.8,25.05 24.6,24.85 21.78,24.85 21.3,25.33 20.72,25.33 20.45,25.6 20.2,25.6 20.1,25.5 20.1,25.09 20,25 19.8,25 19.2,25.6 19.2,26.25 19.35,26.4 19.85,26.4 20,26.55 20,27.05 19.85,27.2 19.35,27.2 19.2,27.35 19.2,27.85 19.35,28 19.85,28 20,28.15 20,28.65 19.85,28.8 18.6,28.8 18.4,29 18.4,31 18.6,31.2 19.8,31.2 20,31.4 20,31.8 20.2,32 20.6,32 20.8,32.2 20.8,32.8 U7.J17
LR_LL_WE_RD_WAIT_P: length 29.9
  SIGNAL_L8-X w0.089: U8.G2 25.6,34.4 25.6,33.8 25.8,33.6 27.8,33.6 28,33.8 28,35 28.2,35.2 28.6,35.2 28.8,35.4 28.8,35.8 28.6,36 28.2,36 28,36.2 28,36.6 27.8,36.8 27.4,36.8 27.2,37 27.2,37.4 27,37.6 26.6,37.6 26.4,37.8 26.4,38.2 26.2,38.4 25.8,38.4 25.6,38.6 25.6,39 25.38,39.22 25.04,39.22 24.81,39.44 24.81,39.99 24.25,40.55 23.66,40.55 23.3,40.9 23.05,40.9 22.7,40.55 22.5,40.55 21.75,39.8 21.75,39.55 21.4,39.2 21,39.2 20.8,39 20.8,38.6 20.6,38.4 20.2,38.4 20,38.2 20,37.8 19.8,37.6 19.4,37.6 19.2,37.4 19.2,37 19,36.8 18.6,36.8 18.4,36.6 18.4,36.2 18.2,36 17.8,36 17.6,35.8 17.6,33 17.8,32.8 19.8,32.8 20,32.6 U7.K17
